# Altium PCB AX7103-2021-0629.PcbDoc (part 6 of 7)
Units mil, origin at the board's own origin, x right, y up, seen from the top; angles counter-clockwise.
Board outline 7406.51 x 4363.82 mil, 6 copper layers (TOP, SGND, IN1, IN2, SGND1, BOTTOM), stack 47.2 mil thick; 347 components, 454 nets, 1784 pads, 724 vias.
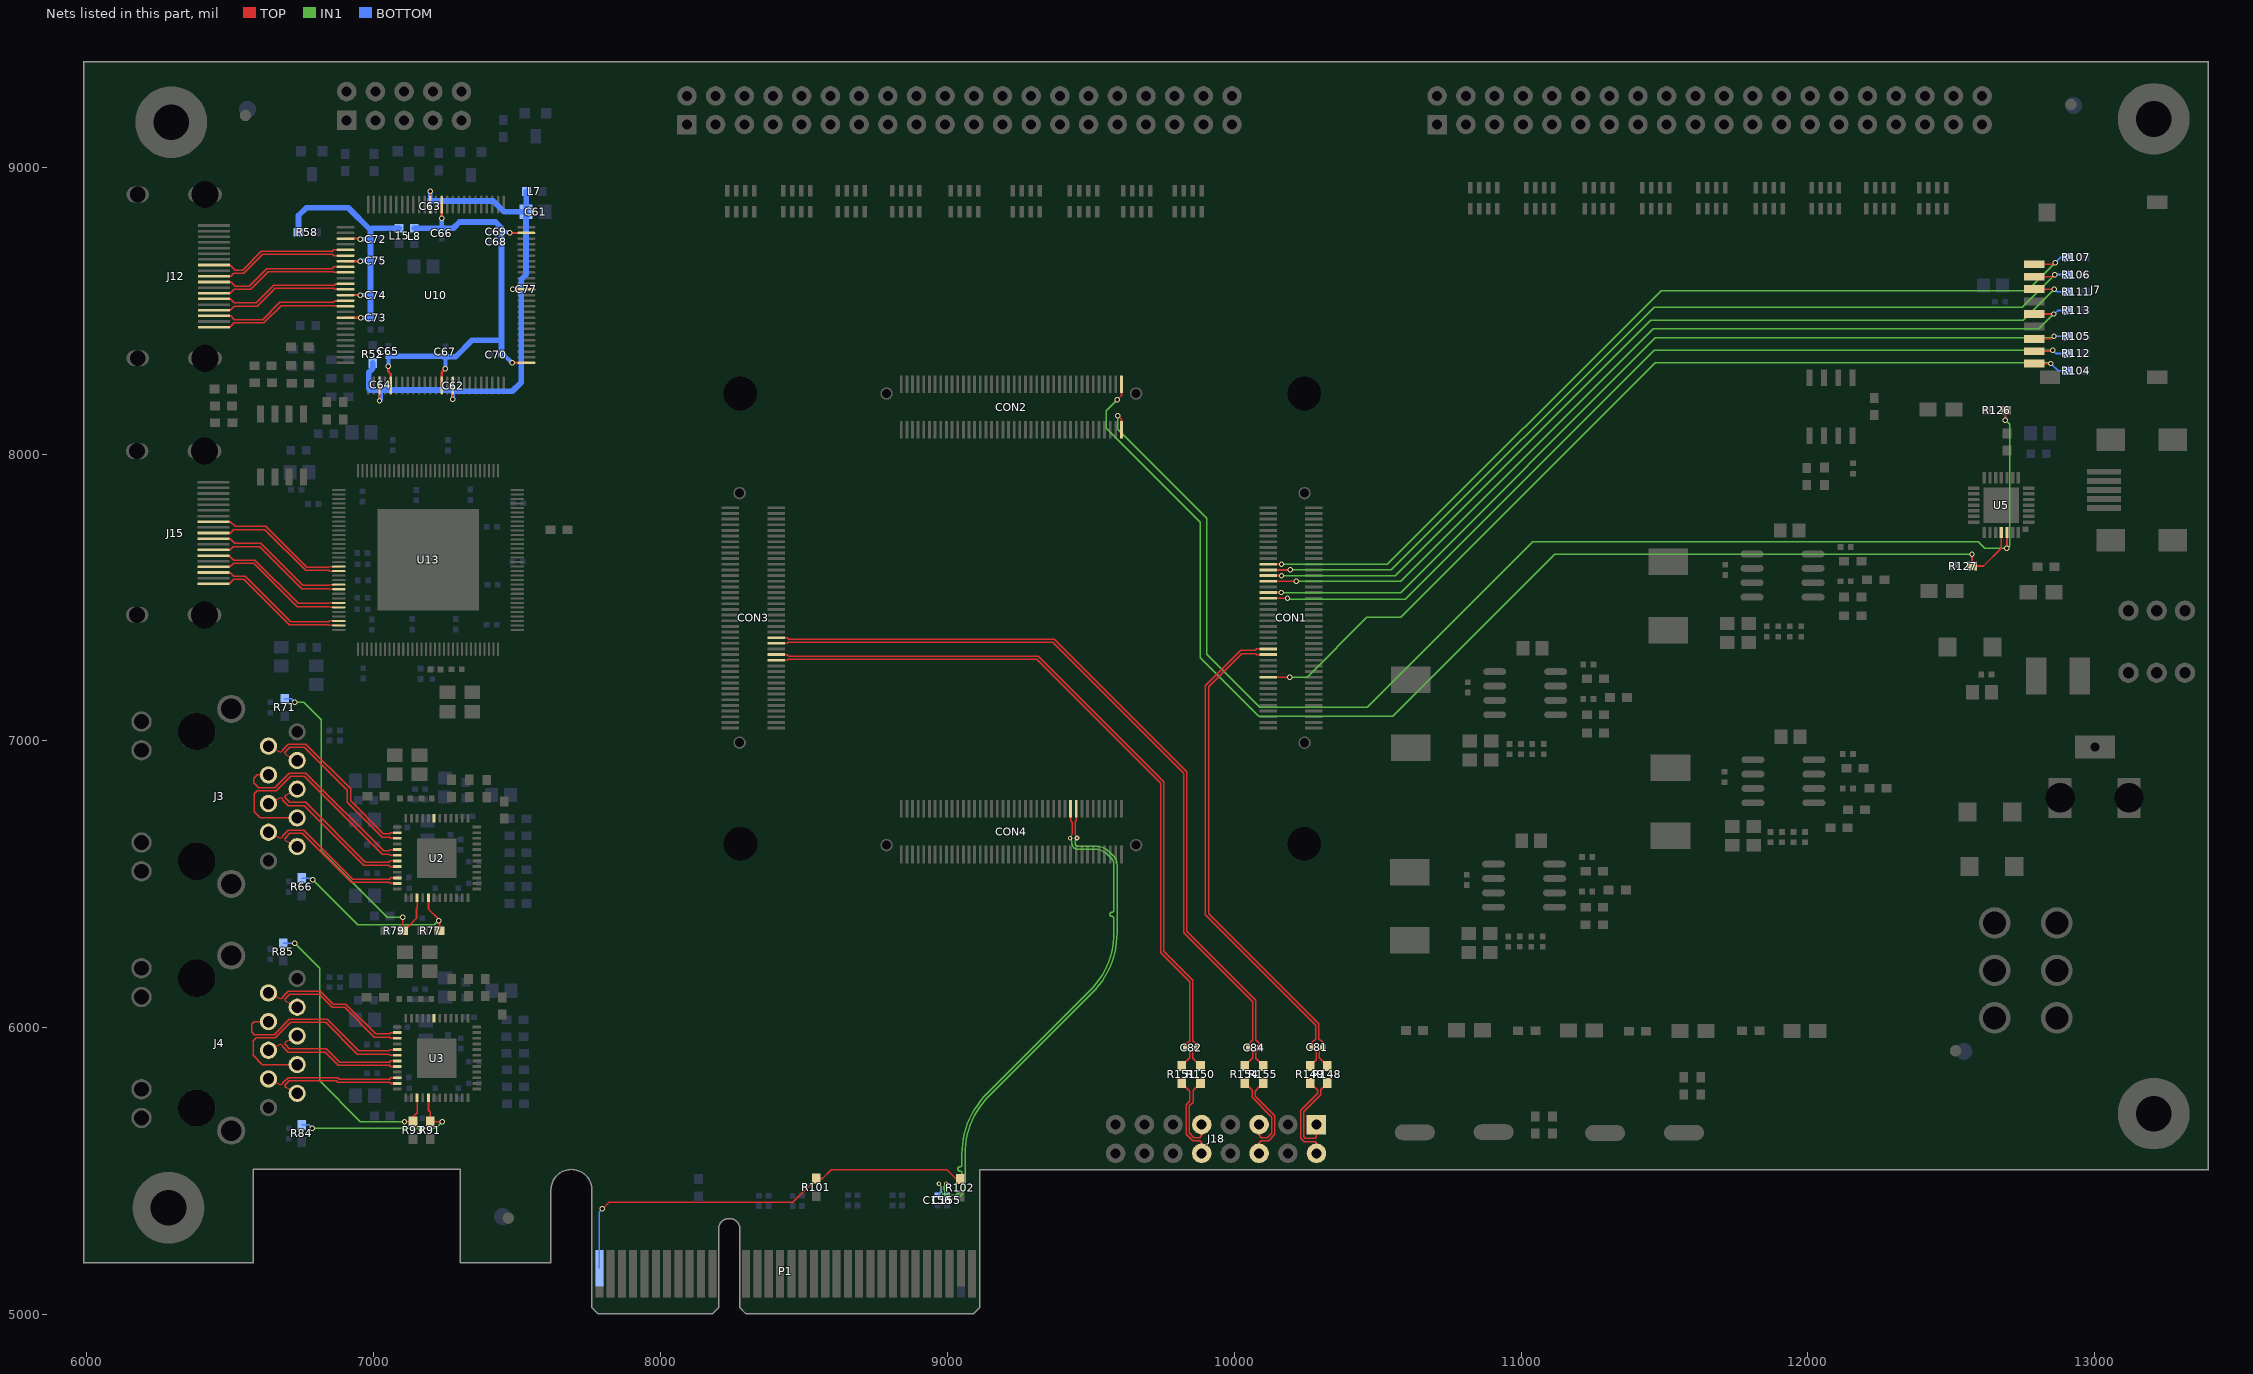
[diagram p10: the nets of this part, all layers, seen from the top]

## Via types
v1: diameter 19, hole 12, TOP to BOTTOM, 688 vias
v2: diameter 16, hole 8, TOP to BOTTOM, 36 vias

## Nets (pads, with @x,y where several pads share a name; then routed paths per layer and width w, separated by ;. In a path a pad name is that pad's centre, name@x,y a point inside that pad or via, vN(x,y) a via of type N, cw(c..) or ccw(c..) an arc to the next point about the centre after c; other vN are vias at no path point) (continued)
PCIE_TX3_N: C155.2 CON4.19 | length 1829.9
  TOP w5: v2(9428.21,6661.29) ccw(c9411.72,6677.78) 9435.04,6677.78 9435.04,6715.24 ccw(c9429.65,6715.24) 9433.46,6719.05 cw(c9441.57,6727.16) 9430.1,6727.16 CON4.19@9430.1,6763.77
  IN1 w5: v2(8996.04,5456.85) ccw(c9010.53,5442.36) 8990.04,5442.36 8990.04,5436.92 ccw(c9007.11,5436.92) 8995.04,5424.85 8999.09,5420.8 ccw(c9011.04,5432.75) 9011.04,5415.85 9024.04,5415.85 ccw(c9024.04,5435.14) 9037.69,5421.51 ccw(c9005.47,5453.74) 9051.04,5453.74 9051.04,5463.74 ccw(c9044.04,5463.74) 9044.04,5470.74 cw(c9044.04,5477.74) 9037.04,5477.74 9037.04,5478.74 cw(c9044.04,5478.74) 9044.04,5485.74 ccw(c9044.04,5492.74) 9051.04,5492.74 9051.04,5493.74 ccw(c9044.04,5493.74) 9044.04,5500.74 cw(c9044.04,5507.74) 9037.04,5507.74 9037.04,5508.74 cw(c9044.04,5508.74) 9044.04,5515.74 ccw(c9044.04,5522.74) 9051.04,5522.74 9051.04,5559.85 cw(c9349.32,5559.85) 9138.41,5770.77 9170.26,5802.63 9497.26,6129.63 ccw(c9295,6331.89) 9581.04,6331.89 9581.04,6381.82 ccw(c9574.54,6381.82) 9574.54,6388.32 9572.73,6388.32 cw(c9572.73,6391.18) 9571.64,6388.54 9570.28,6389.1 cw(c9572.16,6393.64) 9567.62,6391.76 9567.37,6392.37 cw(c9571.33,6394.02) 9567.04,6394.01 9567.04,6395.82 cw(c9574.54,6395.82) 9574.54,6403.32 ccw(c9574.54,6409.82) 9581.04,6409.82 9581.04,6566.35 ccw(c9542.52,6566.35) 9569.76,6593.57 9558.26,6605.07 ccw(c9515.34,6562.15) 9515.34,6622.85 9455.32,6622.85 cw(c9455.32,6642.86) 9441.17,6628.71 9440.34,6629.54 cw(c9454.47,6643.68) 9434.48,6643.68 9434.48,6646.85 ccw(c9414.78,6646.85) 9428.7,6660.79 v2(9428.21,6661.29)
  BOTTOM w5: v2(8996.04,5456.85) ccw(c9012.94,5439.95) 8989.04,5439.95 ccw(c9020.69,5439.95) 8998.3,5417.58 C155.2@8999.04,5416.85
PCIE_TX3_P: C156.2 CON4.17 | length 1818
  TOP w5: CON4.17@9449.79,6763.77 9449.79,6727.85 cw(c9436.99,6727.86) 9448.94,6723.27 ccw(c9455.94,6716.27) 9446.04,6716.27 9446.04,6676.61 ccw(c9467.11,6676.61) v2(9452.21,6661.71)
  IN1 w5: v2(8971.04,5456.85) 8972.68,5455.22 cw(c8957.29,5439.85) 8979.04,5439.85 8979.04,5436.91 ccw(c9007.11,5436.92) 8987.26,5417.07 8991.31,5413.02 ccw(c9011.04,5432.76) 9011.04,5404.85 9024.04,5404.85 ccw(c9024.04,5435.15) 9045.47,5413.73 ccw(c9005.47,5453.73) 9062.04,5453.73 9062.04,5559.85 cw(c9349.31,5559.85) 9146.19,5762.99 9178.04,5794.85 9505.04,6121.85 ccw(c9295,6331.89) 9592.04,6331.89 9592.04,6566.34 ccw(c9542.53,6566.34) 9577.54,6601.35 9566.04,6612.85 ccw(c9515.34,6562.15) 9515.34,6633.85 9455.32,6633.85 cw(c9455.32,6642.86) 9448.95,6636.49 9448.12,6637.32 cw(c9454.46,6643.68) 9445.48,6643.68 9445.48,6647.85 cw(c9462.69,6647.85) 9450.52,6660.02 v2(9452.21,6661.71)
  BOTTOM w5: C156.2@8966.04,5416.85 8974.5,5425.32 ccw(c8965.99,5433.85) 8978.04,5433.85 8978.04,5439.95 ccw(c8954.14,5439.95) v2(8971.04,5456.85)
PHY1_AD0/LED1: R66.1 R77.1 U2.17 | length 682
  TOP w6: U2.17@7191.44,6452.97 7191.44,6414.45 7227.04,6378.85 v1(7227.04,6372.85) 7230.04,6369.85 R77.1@7230.04,6338.71
  IN1 w5: v1(6788.04,6515.85) 6945.04,6358.85 7212.04,6358.85 7227.04,6373.85 v1(7227.04,6372.85)
  BOTTOM w6: R66.1@6750.04,6521.85 6782.04,6521.85 v1(6788.04,6515.85)
PHY1_AD1/LED2: R71.1 R79.2 U2.15 | length 1180.1
  TOP w6: v1(7102.04,6384.85) R79.2@7102.04,6338.99 7107.18,6338.99 7150.04,6381.85 7150.04,6415.85 7152.07,6417.88 U2.15@7152.07,6452.97
  IN1 w5: v1(6725.04,7134.85) 6757.04,7134.85 6818.04,7073.85 6818.04,6614.85 7048.04,6384.85 v1(7102.04,6384.85)
  BOTTOM w6: R71.1@6690.04,7146.85 6713.04,7146.85 v1(6725.04,7134.85)
PHY1_LDO: U2.43
PHY1_MDI0_N: J3.P3 U2.3 | length 608.1
  TOP w5: J3.P3@6734.03,6931.9 6693.43,6952.23 6691.2,6958.94 6693.43,6963.39 6707.89,6977.85 6759.48,6977.85 6909.04,6828.29 6909.04,6786.29 7030.26,6665.07 7056.23,6665.07 7060.57,6660.73 U2.3@7082.11,6660.73
PHY1_MDI0_P: J3.P2 U2.2 | length 620.8
  TOP w5: J3.P2@6634.03,6981.9 6674.63,6961.57 6681.34,6963.82 6683.59,6968.31 6684.39,6969.91 6703.33,6988.85 6764.04,6988.85 6920.04,6832.85 6920.04,6790.85 7034.82,6676.07 7056.23,6676.07 7060.57,6680.41 U2.2@7082.11,6680.41
PHY1_MDI1_N: J3.P7 U2.6 | length 857.3
  TOP w5: J3.P7@6734.03,6731.9 6605.99,6731.9 6585.04,6752.85 6585.04,6816.41 6595.48,6826.85 6661.04,6826.85 6711.04,6876.85 6759.48,6876.85 7030.48,6605.85 7053.68,6605.85 7057.86,6601.67 U2.6@7082.11,6601.67
PHY1_MDI1_P: J3.P4 U2.5 | length 712.5
  TOP w5: J3.P4@6634.03,6881.9 6594.09,6881.9 6583.04,6870.85 6583.04,6854.85 6600.04,6837.85 6656.48,6837.85 6706.48,6887.85 6764.04,6887.85 7035.04,6616.85 7053.36,6616.85 7057.87,6621.36 U2.5@7082.11,6621.36
PHY1_MDI2_N: J3.P6 U2.8 | length 552.9
  TOP w5: J3.P6@6634.03,6781.9 6674.63,6802.23 6681.34,6799.98 6684.39,6793.89 6703.43,6774.85 6758.48,6774.85 6966.48,6566.85 7053.31,6566.85 7057.86,6562.3 U2.8@7082.11,6562.3
PHY1_MDI2_P: J3.P5 U2.7 | length 540
  TOP w5: J3.P5@6734.03,6831.9 6693.43,6811.57 6691.2,6804.86 6693.43,6800.41 6707.99,6785.85 6763.04,6785.85 6971.04,6577.85 7053.73,6577.85 7057.87,6581.99 U2.7@7082.11,6581.99
PHY1_MDI3_N: J3.P9 U2.11 | length 524.4
  TOP w5: J3.P9@6734.03,6631.9 6693.43,6652.23 6691.2,6658.94 6693.43,6663.39 6707.89,6677.85 6752.04,6677.85 6922.3,6507.59 7056.23,6507.59 7060.57,6503.25 U2.11@7082.11,6503.25
PHY1_MDI3_P: J3.P8 U2.10 | length 537.2
  TOP w5: J3.P8@6634.03,6681.9 6674.63,6661.57 6681.34,6663.82 6683.59,6668.31 6684.39,6669.91 6703.33,6688.85 6756.6,6688.85 6926.86,6518.59 7056.23,6518.59 7060.57,6522.93 U2.10@7082.11,6522.93
PHY2_AD0/LED1: R84.1 R91.1 U3.17 | length 632.3
  TOP w6: U3.17@7191.44,5755.97 7191.44,5712.45 7198.18,5705.71 R91.1@7198.18,5672.85 v1(7240.04,5672.85)
  IN1 w5: v1(6787.04,5649.85) 7217.04,5649.85 v1(7240.04,5672.85)
  BOTTOM w6: R84.1@6750.04,5661.85 6775.04,5661.85 v1(6787.04,5649.85)
PHY2_AD1/LED2: R85.1 R93.2 U3.15 | length 1028.8
  TOP w6: v1(7108.04,5672.85) R93.2@7137.9,5672.85 7137.9,5689.71 7152.07,5703.88 U3.15@7152.07,5755.97
  IN1 w5: v1(6725.04,6294.85) 6812.04,6207.85 6812.04,5814.85 6954.04,5672.85 v1(7108.04,5672.85)
  BOTTOM w6: R85.1@6685.9,6294.85 v1(6725.04,6294.85)
PHY2_LDO: U3.43
PHY2_MDI0_N: J4.P3 U3.3 | length 514.8
  TOP w5: J4.P3@6734.03,6071.9 6693.43,6092.23 6691.2,6098.94 6692.63,6101.79 6707.69,6116.85 6810.48,6116.85 6855.48,6071.85 6899.48,6071.85 7003.26,5968.07 7056.23,5968.07 7060.57,5963.73 U3.3@7082.11,5963.73
PHY2_MDI0_P: J4.P2 U3.2 | length 527.5
  TOP w5: J4.P2@6634.03,6121.9 6674.63,6101.57 6681.34,6103.82 6683.59,6108.31 6703.13,6127.85 6815.04,6127.85 6860.04,6082.85 6904.04,6082.85 7007.82,5979.07 7056.23,5979.07 7060.57,5983.41 U3.2@7082.11,5983.41
PHY2_MDI1_N: J4.P7 U3.6 | length 793.5
  TOP w5: J4.P7@6734.03,5871.9 6612.99,5871.9 6580.04,5904.85 6580.04,5954.85 6591.04,5965.85 6658.04,5965.85 6711.04,6018.85 6833.48,6018.85 6943.48,5908.85 7053.68,5908.85 7057.86,5904.67 U3.6@7082.11,5904.67
PHY2_MDI1_P: J4.P4 U3.5 | length 667.9
  TOP w5: J4.P4@6634.03,6021.9 6585.09,6021.9 6576.04,6012.85 6576.04,5985.85 6585.04,5976.85 6653.48,5976.85 6706.48,6029.85 6838.04,6029.85 6948.04,5919.85 7053.36,5919.85 7057.87,5924.36 U3.5@7082.11,5924.36
PHY2_MDI2_N: J4.P6 U3.8 | length 485.4
  TOP w5: J4.P6@6634.03,5921.9 6674.63,5942.23 6681.34,5939.98 6683.59,5935.49 6684.39,5933.89 6702.43,5915.85 6831.48,5915.85 6877.69,5869.64 7056.23,5869.64 7060.57,5865.3 U3.8@7082.11,5865.3
PHY2_MDI2_P: J4.P5 U3.7 | length 472.7
  TOP w5: J4.P5@6734.03,5971.9 6693.43,5951.57 6691.2,5944.86 6693.43,5940.41 6706.99,5926.85 6836.04,5926.85 6882.25,5880.64 7056.23,5880.64 7060.58,5884.99 U3.7@7082.11,5884.99
PHY2_MDI3_N: J4.P9 U3.11 | length 454.9
  TOP w5: J4.P9@6734.03,5771.9 6693.43,5792.23 6691.2,5798.94 6692.63,5801.79 6706.69,5815.85 6870.48,5815.85 6875.74,5810.59 7056.23,5810.59 7060.57,5806.25
  TOP w6: 7060.57,5806.25 U3.11@7082.11,5806.25
PHY2_MDI3_P: J4.P8 U3.10 | length 467.7
  TOP w5: J4.P8@6634.03,5821.9 6674.63,5801.57 6681.34,5803.82 6683.59,5808.31 6702.13,5826.85 6875.04,5826.85 6880.3,5821.59 7056.23,5821.59 7060.57,5825.93 U3.10@7082.11,5825.93
PRSNT: P1.A1 R101.1 R102.1 | length 1530.1
  TOP w6: v1(7798.04,5368.85) 7821.04,5391.85 8462.04,5391.85 8543.18,5472.99 R101.1@8543.18,5474.85 8565.04,5474.85 8596.04,5505.85 8999.04,5505.85 9032.04,5472.85 R102.1@9045.18,5472.85
  BOTTOM w6: P1.A1@7787.28,5161.85 7787.28,5358.09 v1(7798.04,5368.85)
RX_0N: J15.9 U13.54 | length 505.6
  TOP w5: J15.9@6442.26,7705.29 6500.73,7705.29 6517.17,7688.85 6607.6,7688.85 6754.12,7542.33 6844.7,7542.33 6847.08,7544.71 U13.54@6879.36,7544.71
RX_0P: J15.7 U13.55 | length 503.7
  TOP w5: J15.7@6442.26,7665.92 6500,7665.92 6511.93,7677.85 6603.04,7677.85 6749.56,7531.33 6844.7,7531.33 6847.07,7528.96 U13.55@6879.36,7528.96
RX_1N: J15.6 U13.58 | length 507.2
  TOP w5: J15.6@6442.26,7646.23 6497.29,7646.23 6512.67,7630.85 6586.6,7630.85 6738.11,7479.34 6844.7,7479.34 6847.07,7481.71 U13.58@6879.36,7481.71
RX_1P: J15.4 U13.59 | length 506.2
  TOP w5: J15.4@6442.26,7606.86 6499.44,7606.86 6512.43,7619.85 6582.04,7619.85 6733.55,7468.34 6844.7,7468.34 6847.07,7465.97 U13.59@6879.36,7465.97
RX_2N: J15.3 U13.62 | length 508.9
  TOP w5: J15.3@6442.26,7587.18 6500.3,7587.18 6512.63,7574.85 6553.04,7574.85 6711.55,7416.34 6844.7,7416.34 6847.08,7418.72 U13.62@6879.36,7418.72
RX_2P: J15.1 U13.63 | length 510.4
  TOP w5: J15.1@6442.26,7547.81 6497.39,7547.81 6513.43,7563.85 6548.48,7563.85 6706.99,7405.34 6844.7,7405.34 6847.07,7402.97 U13.63@6879.36,7402.97
RX_CN: J15.12 U13.50 | length 504
  TOP w5: J15.12@6442.26,7764.34 6501.27,7764.34 6517.76,7747.85 6625.04,7747.85 6767.57,7605.32 6844.7,7605.32 6847.08,7607.7 U13.50@6879.36,7607.7
RX_CP: J15.10 U13.51 | length 502
  TOP w5: J15.10@6442.26,7724.97 6501.55,7724.97 6513.43,7736.85 6620.48,7736.85 6763.01,7594.32 6844.7,7594.32 6847.07,7591.95 U13.51@6879.36,7591.95
SD_CD_N: CON1.61 J7.9 R104.1 | length 3310.2
  TOP w6: CON1.61@10118.59,7222.26 v1(10193.63,7222.26) ; J7.9@12788.65,8315.19 12846.38,8315.19 v1(12847.04,8315.85)
  IN1 w5: v1(10193.63,7222.26) 10254.04,7222.26 10462.63,7430.85 10581.04,7430.85 11468.04,8317.85 12845.04,8317.85 v1(12847.04,8315.85)
  BOTTOM w6: v1(12847.04,8315.85) 12872.18,8290.71 R104.1@12905.04,8290.71
SD_CLK: CON1.27 J7.5 R113.1 | length 3245.8
  TOP w6: CON1.27@10118.59,7556.9 v1(10217.04,7556.9) ; J7.5@12788.65,8488.42 v1(12857.04,8488.42)
  IN1 w5: v1(10217.04,7556.9) 10581.09,7556.9 11461.04,8436.85 12805.47,8436.85 v1(12857.04,8488.42)
  BOTTOM w6: v1(12857.04,8488.42) 12858.61,8488.42 12870.9,8500.71 R113.1@12905.04,8500.71
SD_CMD: CON1.25 J7.3 R111.1 | length 3278.4
  TOP w6: CON1.25@10118.59,7576.59 v1(10165.04,7576.59) ; J7.3@12788.65,8575.04 12856.23,8575.04 12858.04,8576.85 v1(12858.04,8575.04)
  IN1 w5: v1(10165.04,7576.59) 10561.78,7576.59 11452.04,8466.85 12749.85,8466.85 v1(12858.04,8575.04)
  BOTTOM w6: v1(12858.04,8575.04) 12858.04,8576.85 12869.18,8565.71 R111.1@12905.04,8565.71
SD_DAT0: CON1.31 J7.7 R105.1 | length 3229.4
  TOP w6: CON1.31@10118.59,7517.53 v1(10164.36,7517.53) ; J7.7@12788.65,8401.81 12849,8401.81 v1(12857.9,8410.71)
  IN1 w5: v1(10164.36,7517.53) 10580.72,7517.53 11468.04,8404.85 12852.04,8404.85 v1(12857.9,8410.71)
  BOTTOM w6: v1(12857.9,8410.71) R105.1@12905.04,8410.71
SD_DAT1: CON1.33 J7.8 R112.1 | length 3218
  TOP w6: CON1.33@10118.59,7497.85 v1(10186.04,7497.85) ; J7.8@12788.65,8358.5 12849.69,8358.5 v1(12853.04,8361.85)
  IN1 w5: v1(10186.04,7497.85) 10190.04,7493.85 10596.04,7493.85 11464.04,8361.85 v1(12853.04,8361.85)
  BOTTOM w6: v1(12853.04,8361.85) 12864.18,8350.71 R112.1@12905.04,8350.71
SD_DAT2: CON1.21 J7.1 R107.1 | length 3305.1
  TOP w6: CON1.21@10118.59,7615.96 v1(10165.04,7615.96) ; J7.1@12788.65,8661.65 12856.84,8661.65 v1(12862.04,8666.85)
  IN1 w5: v1(10165.04,7615.96) 10534.15,7615.96 11488.04,8569.85 12765.04,8569.85 v1(12862.04,8666.85)
  BOTTOM w6: v1(12862.04,8666.85) 12880.9,8685.71 R107.1@12905.04,8685.71
SD_DAT3: CON1.23 J7.2 R106.1 | length 3288.4
  TOP w6: CON1.23@10118.59,7596.27 v1(10196.04,7596.27) ; J7.2@12788.65,8618.34 12853.81,8618.34 v1(12861.18,8625.71)
  IN1 w5: v1(10196.04,7596.27) 10548.46,7596.27 11464.04,8511.85 12747.32,8511.85 v1(12861.18,8625.71)
  BOTTOM w6: v1(12861.18,8625.71) R106.1@12905.04,8625.71
TX_0N: J12.9 U10.33 | length 492.2
  TOP w5: J12.9@6444.23,8600.03 6503.23,8600.03 6517.41,8585.85 6567.48,8585.85 6628.48,8646.85 6855.9,8646.85 6861.93,8652.88 U10.33@6902.84,8652.88
TX_0P: J12.7 U10.34 | length 490.9
  TOP w5: J12.7@6444.23,8560.66 6500.5,8560.66 6514.69,8574.85 6572.04,8574.85 6633.04,8635.85 6859.28,8635.85 6861.93,8633.2 U10.34@6902.84,8633.2
TX_1N: J12.6 U10.36 | length 492.2
  TOP w5: J12.6@6444.23,8540.97 6500.92,8540.97 6515.04,8526.85 6590.48,8526.85 6652.48,8588.85 6863.32,8588.85 6868.3,8593.83 U10.36@6902.84,8593.83
TX_1P: J12.4 U10.37 | length 491.7
  TOP w5: J12.4@6444.23,8501.6 6499.94,8501.6 6514.19,8515.85 6595.04,8515.85 6657.04,8577.85 6861.52,8577.85 6865.23,8574.14 U10.37@6902.84,8574.14
TX_2N: J12.3 U10.39 | length 491.3
  TOP w5: J12.3@6444.23,8481.92 6501.99,8481.92 6515.03,8468.85 6613.48,8468.85 6673.48,8528.85 6860.37,8528.85 6866.3,8534.78 U10.39@6902.84,8534.78
TX_2P: J12.1 U10.40 | length 490.9
  TOP w5: J12.1@6444.23,8442.55 6498.89,8442.55 6514.19,8457.85 6618.04,8457.85 6678.04,8517.85 6864.59,8517.85 6867.35,8515.09 U10.40@6902.84,8515.09
TX_CN: J12.12 U10.30 | length 495.6
  TOP w5: J12.12@6444.23,8659.08 6499.92,8659.08 6518.15,8640.85 6543.48,8640.85 6609.48,8706.85 6856.85,8706.85 6861.94,8711.94 U10.30@6902.84,8711.94
TX_CP: J12.10 U10.31 | length 491.7
  TOP w5: J12.10@6444.23,8619.71 6503.3,8619.71 6513.51,8629.93 6513.59,8629.85 6548.04,8629.85 6614.04,8695.85 6858.33,8695.85 6861.93,8692.25 U10.31@6902.84,8692.25
UART1_RXD: CON2.79 R126.1 U5.26 | length 4673.9
  TOP w6: v1(9595.04,8133.85) 9607.26,8121.63 CON2.79@9607.26,8084.27 ; v1(12688.55,8118.34) R126.1@12688.55,8152.62 ; v1(12693.94,7671.85) U5.26@12693.94,7726.51
  IN1 w5: v1(9595.04,8133.85) 9595.04,8085.85 9905.04,7775.85 9905.04,7301.85 10089.04,7117.85 10464.04,7117.85 11041.04,7694.85 12593.04,7694.85 12616.04,7671.85 v1(12693.94,7671.85) 12703.04,7680.95 12703.04,8103.85 v1(12688.55,8118.34)
UART1_TXD: CON2.80 R127.1 U5.25 | length 4344.4
  TOP w6: v1(9593.04,8189.85) 9607.26,8204.07 CON2.80@9607.26,8243.71 ; v1(12572.01,7650.88) R127.1@12572.01,7609.84 12612.03,7609.84 12674.25,7672.06 U5.25@12674.25,7726.51
  IN1 w5: v1(9593.04,8189.85) 9554.04,8150.85 9554.04,8089.85 9881.04,7762.85 9881.04,7289.85 10085.04,7085.85 10552.04,7085.85 11117.07,7650.88 v1(12572.01,7650.88)
VIDEO1_AVCC: C72.1 C73.1 C74.1 C75.1 L15.1 R58.2 U10.28 U10.32 U10.38 U10.42 | length 1111.1
  TOP w8: U10.42@6902.84,8475.72 v1(6955.06,8475.72) ; U10.38@6902.84,8554.46 v1(6953.3,8554.46) ; U10.32@6902.84,8672.57 v1(6953.19,8672.57) ; U10.28@6902.84,8751.31 6951.95,8751.31 v1(6953.8,8749.46)
  BOTTOM w15: v1(6953.19,8672.57) 6955.08,8674.46 C75.1@6989.8,8674.46 ; v1(6953.3,8554.46) C74.1@6989.8,8554.46 ; v1(6953.8,8749.46) C72.1@6989.8,8749.46 ; v1(6955.06,8475.72) 6956.32,8474.46 C73.1@6989.8,8474.46
  BOTTOM w20: R58.2@6738.8,8773.46 6738.8,8831.46 6766.3,8858.96 6912.3,8858.96 6989.8,8781.46 ; C73.1@6989.8,8474.46 C74.1@6989.8,8554.46 C75.1@6989.8,8674.46 C72.1@6989.8,8749.46 6989.8,8781.46 ; L15.1@7089.04,8787.35 6995.69,8787.35 6989.8,8781.46
VIDEO1_CORE: C65.1 C66.1 C67.1 C68.1 C69.1 C70.1 L8.1 U10.12 U10.55 U10.64 U10.76 U10.99 | length 1661.8
  TOP w8: v1(7051.8,8305.96) 7051.8,8287.96 7060.32,8279.44 U10.55@7060.32,8239.5 ; U10.64@7237.48,8239.5 7237.48,8284.14 v1(7250.8,8297.46) ; v1(7237.49,8822.46) U10.12@7237.49,8869.42 ; v1(7475.27,8770.99) U10.99@7532.76,8770.99 ; v1(7483.02,8318.24) U10.76@7532.76,8318.24
  BOTTOM w15: v1(7051.8,8305.96) 7052.3,8306.46 C65.1@7052.3,8340.96 ; v1(7237.49,8822.46) 7237.49,8818.77 7237.8,8818.46 C66.1@7237.8,8787.46 ; v1(7250.8,8297.46) C67.1@7250.8,8338.96 ; C69.1@7445.8,8774.46 7471.8,8774.46 v1(7475.27,8770.99) ; C70.1@7446.3,8345.96 7455.3,8345.96 v1(7483.02,8318.24)
  BOTTOM w20: C65.1@7052.3,8340.96 7248.8,8340.96 C67.1@7250.8,8338.96 7285.8,8338.96 7343.8,8396.96 7446.3,8396.96 ; L8.1@7141.8,8786.96 7237.3,8786.96 C66.1@7237.8,8787.46 7278.3,8787.46 7299.8,8808.96 7425.3,8808.96 7445.8,8788.46 C69.1@7445.8,8774.46 C68.1@7445.8,8739.46 7446.3,8738.96 7446.3,8396.96 ; C70.1@7446.3,8345.96 7446.3,8396.96
VIDEO1_VCCIO: C61.1 C62.1 C63.1 C64.1 C77.1 L7.2 R52.2 U10.14 U10.53 U10.66 U10.89 | length 1992.8
  TOP w8: v1(7020.95,8185.85) U10.53@7020.95,8239.5 ; v1(7197.8,8916.46) 7197.8,8869.74 U10.14@7198.12,8869.42 ; v1(7276.86,8191.85) U10.66@7276.86,8239.5 ; v1(7485.8,8574.46) 7486.12,8574.14 U10.89@7532.76,8574.14
  BOTTOM w15: v1(7020.95,8185.85) 7025.04,8189.94 C64.1@7025.04,8223.85 ; C63.1@7197.8,8882.46 v1(7197.8,8916.46) ; v1(7276.86,8191.85) 7276.86,8219.52 C62.1@7277.8,8220.46 ; v1(7485.8,8574.46) C77.1@7514.8,8574.46
  BOTTOM w20: R52.2@6997.66,8317.46 6997.66,8298.82 6983.8,8284.96 6983.8,8229.46 6990.41,8222.85 7024.04,8222.85 C64.1@7025.04,8223.85 7274.41,8223.85 C62.1@7277.8,8220.46 7279.3,8218.96 7483.8,8218.96 7514.8,8249.96 C77.1@7514.8,8574.46 7514.8,8608.99 7531.65,8625.84 C61.1@7531.65,8844.46 ; C63.1@7197.8,8882.46 7417.3,8882.46 7455.3,8844.46 C61.1@7531.65,8844.46 ; L7.2@7533.3,8915.46 7532.04,8914.2 C61.1@7532.04,8844.85 C61.1@7531.65,8844.46
XADC_AD0N: C82.2 CON3.25 R151.2 | length 2570.4
  TOP w5: CON3.25@8403.12,7281.35 8443.04,7281.35 8446.54,7284.85 9312.48,7284.85 9744.04,6853.29 9744.04,6262.29 9845.04,6161.29 9845.04,5955.85 9832.04,5942.85 C82.2@9832.04,5930.85 9845.04,5917.85 9845.04,5894.99 R151.2@9817.9,5867.85
XADC_AD0N_C: J18.10 R151.1 | length 298.8
  TOP w5: R151.1@9817.9,5807.85 9846.04,5779.71 9846.04,5745.41 9833.04,5732.41 9833.04,5629.29 9855.48,5606.85 9880.04,5606.85 9887.04,5599.85 J18.10@9887.04,5562.85
XADC_AD0P: C82.1 CON3.27 R150.2 | length 2588.4
  TOP w5: CON3.27@8403.12,7301.04 8443.03,7301.04 8448.22,7295.85 9317.04,7295.85 9755.04,6857.85 9755.04,6266.85 9856.04,6165.85 9856.04,5954.85 9868.04,5942.85 C82.1@9868.04,5930.85 9856.04,5918.85 9856.04,5894.71 R150.2@9882.9,5867.85
XADC_AD0P_C: J18.9 R150.1 | length 280.6
  TOP w5: R150.1@9882.9,5807.85 9857.04,5781.99 9857.04,5740.85 9844.04,5727.85 9844.04,5633.85 9860.04,5617.85 9880.04,5617.85 9887.04,5624.85 J18.9@9887.04,5662.85
XADC_AD9N: C84.2 CON3.33 R155.2 | length 2771.8
  TOP w5: CON3.33@8403.12,7360.09 8443.04,7360.09 8448.28,7354.85 9373.04,7354.85 9835.04,6892.85 9835.04,6336.85 10076.04,6095.85 10076.04,5959.1 10088.04,5947.1 C84.2@10088.04,5930.85 10075.04,5917.85 10075.04,5894.71 R155.2@10101.9,5867.85
XADC_AD9N_C: J18.6 R155.1 | length 322.1
  TOP w5: J18.6@10087.04,5562.85 10087.04,5598.85 10095.04,5606.85 10120.04,5606.85 10142.04,5628.85 10142.04,5693.85 10074.04,5761.85 10074.04,5779.75 10081.04,5786.75 10081.04,5786.99 R155.1@10101.9,5807.85
XADC_AD9P: C84.1 CON3.31 R154.2 | length 2752.9
  TOP w5: CON3.31@8403.12,7340.41 8443.04,7340.41 8446.48,7343.85 9368.48,7343.85 9824.04,6888.29 9824.04,6332.29 10065.04,6091.29 10065.04,5957.85 10052.04,5944.85 C84.1@10052.04,5930.85 10064.04,5918.85 10064.04,5894.99 R154.2@10036.9,5867.85
XADC_AD9P_C: J18.5 R154.1 | length 304.8
  TOP w5: R154.1@10036.9,5807.85 10063.04,5781.71 10063.04,5757.29 10131.04,5689.29 10131.04,5633.41 10115.48,5617.85 10094.04,5617.85 10087.04,5624.85 J18.5@10087.04,5662.85
XADC_VN: C81.2 CON1.51 R149.2 | length 1775.4
  TOP w5: CON1.51@10118.59,7320.68 10078.67,7320.68 10073.84,7315.85 10022.48,7315.85 9900.04,7193.41 9900.04,6393.85 10284.04,6009.85 10284.04,5961.1 10272.04,5949.1 C81.2@10272.04,5932.85 10286.04,5918.85 10286.04,5888.99 R149.2@10264.9,5867.85
XADC_VN_C: J18.2 R149.1 | length 325.9
  TOP w5: R149.1@10264.9,5807.85 10291.04,5781.71 10291.04,5771.41 10232.04,5712.41 10232.04,5615.85 10244.04,5603.85 10283.04,5603.85 10287.04,5599.85 J18.2@10287.04,5562.85
XADC_VP: C81.1 CON1.53 R148.2 | length 1758.7
  TOP w5: CON1.53@10118.59,7301 10078.67,7301 10074.82,7304.85 10027.04,7304.85 9911.04,7188.85 9911.04,6398.41 10295.04,6014.41 10295.04,5962.1 10308.04,5949.1 C81.1@10308.04,5932.85 10297.04,5921.85 10297.04,5895.71 R148.2@10324.9,5867.85
XADC_VP_C: J18.1 R148.1 | length 312.7
  TOP w5: J18.1@10287.04,5662.85 10287.04,5619.85 10282.04,5614.85 10248.6,5614.85 10243.04,5620.41 10243.04,5707.85 10302.04,5766.85 10302.04,5784.99 R148.1@10324.9,5807.85
pads on no net: CON1.11 CON1.12 CON1.13 CON1.14 CON1.15 CON1.17 CON1.52 CON1.55 CON1.57 CON1.62 CON1.64 CON1.66 CON1.68 CON1.72 CON1.74 CON1.76 CON1.78 CON1.79 CON1.80 CON1.81 CON1.82 CON2.81 CON2.82 CON3.75 CON3.76 CON3.81 CON3.82 CON4.1 CON4.2 CON4.3 CON4.4 CON4.5 CON4.6 CON4.7 CON4.8 CON4.11 CON4.13 CON4.79 CON4.80 CON4.81 CON4.82 J3.17 J3.18 J4.17 J4.18 J9.7 J9.8 J10.4 J12.14 J15.13 J15.14 J18.13 J18.14 P1.A5 P1.A6 P1.A7 P1.A8 P1.A19 P1.A32 P1.B5 P1.B6 P1.B9 P1.B10 P1.B11 P1.B12 P1.B30 RN9.3 RN9.4 RN9.5 RN9.6 RN18.3 RN18.4 RN18.5 RN18.6 SW1.1 SW1.4 U5.1 U5.2 U5.10 U5.11 U5.12 U5.13 U5.14 U5.15 U5.16 U5.17 U5.18 U5.19 U5.20 U5.21 U5.22 U5.23 U5.24 U5.27 U5.28 U10.4 U10.5 U10.6 U10.7 U10.8 U10.9 U10.10 U10.11 U10.15 U10.16 U10.17 U10.18 U10.19 U10.20 U10.21 U10.22 U10.23 U10.24 U13.2 U13.3 U13.4 U13.5 U13.8 U13.9 U13.10 U13.11 U13.14 U13.15 U13.16 U13.17 U13.20 U13.21 U13.22 U13.23 U13.26 U13.27 U13.28 U13.29 U13.32 U13.33 U13.34 U13.35 U13.41 U13.42 U13.43 U13.48 U13.67 U13.70 U13.71 U13.72 U13.73 U13.74 U13.75 U13.76 U13.79 U13.90 U13.91

## Polygon pours and split planes (outlines as drawn)
no net on Bottom Solder (solid): 7770.04,5227.85 7770.04,5055.85 8198.04,5055.85 8198.04,5227.85 7770.04,5227.85
no net on Bottom Solder (solid): 8281.04,5228.85 8281.04,5053.85 9104.04,5053.85 9104.04,5228.85 8281.04,5228.85
no net on Top Overlay (solid): 24 vertices, not listed, extent 7744.85,9211.01 7775.85,9288.01
no net on Top Overlay (solid): 24 vertices, not listed, extent 7843.85,9211.01 7874.85,9288.01
no net on Top Overlay (solid): 24 vertices, not listed, extent 7746.85,9100.01 7777.85,9177.01
no net on Top Overlay (solid): 24 vertices, not listed, extent 7845.85,9100.01 7876.85,9177.01
no net on Top Overlay (solid): 24 vertices, not listed, extent 10361.85,9087.01 10392.85,9164.01
no net on Top Overlay (solid): 24 vertices, not listed, extent 10357.85,9220.01 10388.85,9297.01
no net on Top Overlay (solid): 24 vertices, not listed, extent 10460.85,9087.01 10491.85,9164.01
no net on Top Overlay (solid): 24 vertices, not listed, extent 10456.85,9220.01 10487.85,9297.01
+5.0V on TOP (solid, pour order 274): 86 vertices, not listed, extent 10079.04,7747.85 10313.04,7828.85
+5.0V on TOP (solid, pour order 272): 11991.6,7396.62 11981.6,7386.62 11621.6,7386.62 11571.6,7336.62 11431.6,7336.62 11426.6,7341.62 11426.6,7436.62 11459.6,7469.62 11979.6,7469.62 11991.6,7457.62 11991.6,7396.62
EX_IO1_1P on TOP (solid, pour order 270): 34 vertices, not listed, extent 10794.64,9148.19 10820.76,9189.35
EX_IO1_2N on TOP (solid, pour order 268): 34 vertices, not listed, extent 10894.64,9148.19 10920.76,9189.35
EX_IO1_3P on TOP (solid, pour order 266): 34 vertices, not listed, extent 10994.64,9148.19 11020.76,9189.35
EX_IO1_4N on TOP (solid, pour order 264): 34 vertices, not listed, extent 11094.64,9148.19 11120.76,9189.35
EX_IO1_5P on TOP (solid, pour order 262): 34 vertices, not listed, extent 11194.64,9148.19 11220.76,9189.35
+12V on TOP (solid, pour order 258): 19 vertices, not listed, extent 11761.6,7586.62 11927.6,7770.62
+12V on TOP (solid, pour order 256): 19 vertices, not listed, extent 10864.6,7176.62 11030.6,7360.62
+12V on TOP (solid, pour order 254): 12733.04,7299.85 12819.04,7299.85 12819.04,7159.85 12794.04,7134.85 12626.04,7134.85 12616.04,7144.85 12616.04,7204.85 12628.04,7216.85 12628.04,7247.85 12668.04,7247.85 12669.54,7249.35 12711.54,7249.35 12733.04,7270.85 12733.04,7299.85
+12V on TOP (solid, pour order 252): 18 vertices, not listed, extent 11765.6,6869.62 11931.6,7052.85
+12V on TOP (solid, pour order 250): 19 vertices, not listed, extent 10860.6,6505.62 11026.6,6689.62
EX_IO1_6P on TOP (solid, pour order 248): 34 vertices, not listed, extent 11294.64,9148.19 11320.76,9189.35
EX_IO1_7P on TOP (solid, pour order 246): 34 vertices, not listed, extent 11394.64,9148.19 11420.76,9189.35
EX_IO1_8P on TOP (solid, pour order 244): 34 vertices, not listed, extent 11494.64,9148.19 11520.76,9189.35
EX_IO1_9P on TOP (solid, pour order 242): 34 vertices, not listed, extent 11594.64,9148.19 11620.76,9189.35
EX_IO1_10P on TOP (solid, pour order 240): 34 vertices, not listed, extent 11694.64,9148.19 11720.76,9189.35
EX_IO1_11N on TOP (solid, pour order 238): 34 vertices, not listed, extent 11794.64,9148.19 11820.76,9189.35
EX_IO1_12N on TOP (solid, pour order 236): 34 vertices, not listed, extent 11894.64,9148.19 11920.76,9189.35
EX_IO1_13N on TOP (solid, pour order 234): 34 vertices, not listed, extent 11994.64,9148.19 12020.76,9189.35
EX_IO1_14P on TOP (solid, pour order 232): 34 vertices, not listed, extent 12094.64,9148.19 12120.76,9189.35
EX_IO1_15P on TOP (solid, pour order 230): 34 vertices, not listed, extent 12194.64,9148.19 12220.76,9189.35
N16762134 on TOP (solid, pour order 228): 17 vertices, not listed, extent 11434.6,6799.62 11849.6,6959.62
EX_IO1_16P on TOP (solid, pour order 226): 34 vertices, not listed, extent 12294.64,9148.19 12320.76,9189.35
EX_IO1_17P on TOP (solid, pour order 224): 34 vertices, not listed, extent 12394.64,9148.19 12420.76,9189.35
EX_IO1_1N on TOP (solid, pour order 222): 34 vertices, not listed, extent 10795.08,9209.35 10820.32,9249.45
EX_IO1_2P on TOP (solid, pour order 220): 34 vertices, not listed, extent 10895.08,9209.35 10920.32,9249.45
EX_IO1_3N on TOP (solid, pour order 218): 34 vertices, not listed, extent 10995.08,9209.35 11020.32,9249.45
EX_IO1_4P on TOP (solid, pour order 216): 34 vertices, not listed, extent 11095.08,9209.35 11120.32,9249.45
EX_IO1_5N on TOP (solid, pour order 214): 34 vertices, not listed, extent 11195.08,9209.35 11220.32,9249.45
EX_IO1_6N on TOP (solid, pour order 212): 34 vertices, not listed, extent 11295.08,9209.35 11320.32,9249.45
EX_IO1_7N on TOP (solid, pour order 210): 34 vertices, not listed, extent 11395.08,9209.35 11420.32,9249.45
EX_IO1_8N on TOP (solid, pour order 208): 34 vertices, not listed, extent 11495.08,9209.35 11520.32,9249.45
EX_IO1_9N on TOP (solid, pour order 206): 34 vertices, not listed, extent 11595.08,9209.35 11620.32,9249.45
EX_IO1_10N on TOP (solid, pour order 204): 34 vertices, not listed, extent 11695.08,9209.35 11720.32,9249.45
EX_IO1_11P on TOP (solid, pour order 202): 34 vertices, not listed, extent 11795.08,9209.35 11820.32,9249.45
N17255460 on TOP (solid, pour order 200): 19 vertices, not listed, extent 11431.6,7516.62 11846.6,7676.62
EX_IO1_12P on TOP (solid, pour order 198): 34 vertices, not listed, extent 11895.08,9209.35 11920.32,9249.45
EX_IO1_13P on TOP (solid, pour order 196): 34 vertices, not listed, extent 11995.08,9209.35 12020.32,9249.45
EX_IO1_14N on TOP (solid, pour order 194): 34 vertices, not listed, extent 12095.08,9209.35 12120.32,9249.45
EX_IO1_15N on TOP (solid, pour order 192): 34 vertices, not listed, extent 12195.08,9209.35 12220.32,9249.45
EX_IO1_17N on TOP (solid, pour order 190): 34 vertices, not listed, extent 12395.08,9209.35 12420.32,9249.45
EX_IO1_16N on TOP (solid, pour order 188): 34 vertices, not listed, extent 12295.08,9209.35 12320.32,9249.45
+3.3V on TOP (solid, pour order 184): 11444.6,6624.62 11444.6,6719.62 11471.6,6746.62 12068.6,6746.62 12097.6,6717.62 12097.6,6679.62 12086.6,6668.62 12065.6,6668.62 12064.1,6670.12 12000.1,6670.12 11999.6,6669.62 11639.6,6669.62 11589.6,6619.62 11449.6,6619.62 11444.6,6624.62
GND on TOP (solid, pour order 176): 11101.1,6909.12 10786.1,6909.12 10786.1,6964.12 11101.1,6964.12 11101.1,6909.12
GND on TOP (solid, pour order 174): 12024.6,6658.62 12024.6,6612.62 12023.6,6611.62 11709.6,6611.62 11709.6,6658.62 12024.6,6658.62
GND on TOP (solid, pour order 172): 11097.1,6238.12 10782.1,6238.12 10782.1,6293.12 11097.1,6293.12 11097.1,6238.12
GND on TOP (solid, pour order 170): 11998.1,7319.12 11683.1,7319.12 11683.1,7374.12 11998.1,7374.12 11998.1,7319.12
N16880171 on TOP (solid, pour order 168): 41 vertices, not listed, extent 12452.04,6702.85 13255.04,7505.85
N16880223 on TOP (solid, pour order 166): 24 vertices, not listed, extent 12577.04,7156.85 13364.04,7602.85
N16880223 on TOP (solid, pour order 162): 12491.54,6641.35 12505.04,6654.85 12630.04,6654.85 12647.04,6637.85 12647.04,6566.85 12646.04,6565.85 12646.04,6495.85 12644.04,6493.85 12506.04,6493.85 12491.54,6508.35 12491.54,6641.35
PHY1_MDI3_N on TOP (solid, pour order 152): 35 vertices, not listed, extent 6690.93,6622.06 6734.59,6654.73
PHY1_MDI3_P on TOP (solid, pour order 150): 35 vertices, not listed, extent 6633.47,6659.07 6677.13,6691.74
PHY1_MDI2_N on TOP (solid, pour order 148): 35 vertices, not listed, extent 6633.47,6772.06 6677.13,6804.73
PHY1_MDI2_P on TOP (solid, pour order 146): 35 vertices, not listed, extent 6690.93,6809.07 6734.59,6841.74
PHY1_MDI1_N on TOP (solid, pour order 144): 34 vertices, not listed, extent 6676.53,6711.17 6734.66,6752.63
PHY1_MDI1_P on TOP (solid, pour order 142): 34 vertices, not listed, extent 6591.59,6867.41 6634.66,6896.39
PHY1_MDI0_N on TOP (solid, pour order 140): 35 vertices, not listed, extent 6690.93,6922.06 6734.59,6954.73
PHY1_MDI0_P on TOP (solid, pour order 138): 35 vertices, not listed, extent 6633.47,6959.07 6677.13,6991.74
XADC_VP_C on TOP (solid, pour order 136): 30 vertices, not listed, extent 10280.04,5617.35 10294.04,5663.47
+1.2V on TOP (solid, pour order 130): 22 vertices, not listed, extent 10525.6,6255.62 11384.04,6393.85
HDMI-VCC on TOP (solid, pour order 128): 6523.8,7927.72 6529.8,7921.72 6529.8,7881.22 6526.3,7877.72 6388.3,7877.72 6386.3,7879.72 6386.3,7923.22 6390.8,7927.72 6523.8,7927.72
N17152075 on TOP (solid, pour order 126): 12664.04,6699.85 12664.04,6814.85 12688.04,6838.85 12733.04,6883.85 12924.04,6883.85 12941.04,6866.85 12941.04,6824.85 12941.04,6686.85 12932.04,6677.85 12686.04,6677.85 12664.04,6699.85
N17152103 on TOP (solid, pour order 124): 12679.04,6452.85 12679.04,6584.85 12692.04,6597.85 12960.04,6597.85 13022.04,6535.85 13022.04,5966.85 13008.04,5952.85 12795.04,5952.85 12765.04,5982.85 12765.04,6382.85 12712.04,6435.85 12696.04,6435.85 12679.04,6452.85
XADC_AD0P_C on TOP (solid, pour order 122): 34 vertices, not listed, extent 9873.99,5622.35 9900.09,5663.47
XADC_AD0N_C on TOP (solid, pour order 120): 34 vertices, not listed, extent 9874.41,5562.23 9899.67,5602.35
EX_IO2_1N on TOP (solid, pour order 118): 34 vertices, not listed, extent 8179.64,9148.19 8205.76,9189.35
EX_IO2_2P on TOP (solid, pour order 116): 34 vertices, not listed, extent 8279.64,9148.19 8305.76,9189.35
EX_IO2_3P on TOP (solid, pour order 114): 34 vertices, not listed, extent 8379.64,9148.19 8405.76,9189.35
EX_IO2_4P on TOP (solid, pour order 112): 34 vertices, not listed, extent 8479.64,9148.19 8505.76,9189.35
EX_IO2_5N on TOP (solid, pour order 110): 34 vertices, not listed, extent 8579.64,9148.19 8605.76,9189.35
EX_IO2_6N on TOP (solid, pour order 108): 34 vertices, not listed, extent 8679.64,9148.19 8705.76,9189.35
EX_IO2_7P on TOP (solid, pour order 106): 34 vertices, not listed, extent 8779.64,9148.19 8805.76,9189.35
EX_IO2_8N on TOP (solid, pour order 104): 34 vertices, not listed, extent 8879.64,9148.19 8905.76,9189.35
EX_IO2_9N on TOP (solid, pour order 102): 34 vertices, not listed, extent 8979.64,9148.19 9005.76,9189.35
EX_IO2_10P on TOP (solid, pour order 100): 34 vertices, not listed, extent 9079.64,9148.19 9105.76,9189.35
EX_IO2_11P on TOP (solid, pour order 98): 34 vertices, not listed, extent 9179.64,9148.19 9205.76,9189.35
EX_IO2_12N on TOP (solid, pour order 96): 34 vertices, not listed, extent 9279.64,9148.19 9305.76,9189.35
EX_IO2_13N on TOP (solid, pour order 94): 34 vertices, not listed, extent 9379.64,9148.19 9405.76,9189.35
EX_IO2_14N on TOP (solid, pour order 92): 34 vertices, not listed, extent 9479.64,9148.19 9505.76,9189.35
EX_IO2_15N on TOP (solid, pour order 90): 34 vertices, not listed, extent 9579.64,9148.19 9605.76,9189.35
EX_IO2_16N on TOP (solid, pour order 88): 34 vertices, not listed, extent 9679.64,9148.19 9705.76,9189.35
EX_IO2_17P on TOP (solid, pour order 86): 34 vertices, not listed, extent 9779.64,9148.19 9805.76,9189.35
EX_IO2_1P on TOP (solid, pour order 84): 34 vertices, not listed, extent 8180.08,9209.35 8205.32,9249.45
EX_IO2_2N on TOP (solid, pour order 82): 34 vertices, not listed, extent 8280.08,9209.35 8305.32,9249.45
EX_IO2_3N on TOP (solid, pour order 80): 34 vertices, not listed, extent 8380.08,9209.35 8405.32,9249.45
EX_IO2_4N on TOP (solid, pour order 78): 34 vertices, not listed, extent 8480.08,9209.35 8505.32,9249.45
EX_IO2_5P on TOP (solid, pour order 76): 34 vertices, not listed, extent 8580.08,9209.35 8605.32,9249.45
EX_IO2_6P on TOP (solid, pour order 74): 34 vertices, not listed, extent 8680.08,9209.35 8705.32,9249.45
EX_IO2_7N on TOP (solid, pour order 72): 34 vertices, not listed, extent 8780.08,9209.35 8805.32,9249.45
EX_IO2_8P on TOP (solid, pour order 70): 34 vertices, not listed, extent 8880.08,9209.35 8905.32,9249.45
EX_IO2_9P on TOP (solid, pour order 68): 34 vertices, not listed, extent 8980.08,9209.35 9005.32,9249.45
EX_IO2_10N on TOP (solid, pour order 66): 34 vertices, not listed, extent 9080.08,9209.35 9105.32,9249.45
EX_IO2_11N on TOP (solid, pour order 64): 34 vertices, not listed, extent 9180.08,9209.35 9205.32,9249.45
EX_IO2_12P on TOP (solid, pour order 62): 34 vertices, not listed, extent 9280.08,9209.35 9305.32,9249.45
EX_IO2_13P on TOP (solid, pour order 60): 34 vertices, not listed, extent 9380.08,9209.35 9405.32,9249.45
EX_IO2_14P on TOP (solid, pour order 58): 34 vertices, not listed, extent 9480.08,9209.35 9505.32,9249.45
EX_IO2_15P on TOP (solid, pour order 56): 34 vertices, not listed, extent 9580.08,9209.35 9605.32,9249.45
EX_IO2_16P on TOP (solid, pour order 54): 34 vertices, not listed, extent 9680.08,9209.35 9705.32,9249.45
EX_IO2_17N on TOP (solid, pour order 52): 34 vertices, not listed, extent 9780.08,9209.35 9805.32,9249.45
PHY2_MDI3_N on TOP (solid, pour order 36): 35 vertices, not listed, extent 6690.93,5762.06 6734.59,5794.73
PHY2_MDI3_P on TOP (solid, pour order 34): 35 vertices, not listed, extent 6633.47,5799.07 6677.13,5831.74
PHY2_MDI2_N on TOP (solid, pour order 32): 35 vertices, not listed, extent 6633.47,5912.06 6677.13,5944.73
PHY2_MDI2_P on TOP (solid, pour order 30): 35 vertices, not listed, extent 6690.93,5949.07 6734.59,5981.74
PHY2_MDI1_N on TOP (solid, pour order 28): 34 vertices, not listed, extent 6676.53,5851.17 6734.66,5892.63
PHY2_MDI1_P on TOP (solid, pour order 26): 34 vertices, not listed, extent 6582.59,6003.68 6634.66,6040.12
PHY2_MDI0_N on TOP (solid, pour order 24): 35 vertices, not listed, extent 6690.93,6062.06 6734.59,6094.73
PHY2_MDI0_P on TOP (solid, pour order 22): 35 vertices, not listed, extent 6633.47,6099.07 6677.13,6131.74
+1.8V on TOP (solid, pour order 18): 22 vertices, not listed, extent 10529.6,6926.62 11388.04,7064.85
+12V_PCIE on TOP (solid, pour order 14): 12362.04,7371.85 12368.04,7377.85 12502.04,7377.85 12521.04,7358.85 12521.04,7248.85 12503.04,7230.85 12373.04,7230.85 12362.04,7241.85 12362.04,7371.85
+12V_PCIE on TOP (solid, pour order 12): 17 vertices, not listed, extent 7782.05,5060.85 7879.04,5342.85
XADC_VN_C on TOP (solid, pour order 8): 34 vertices, not listed, extent 10274.41,5562.23 10299.67,5602.35
XADC_AD9P_C on TOP (solid, pour order 6): 34 vertices, not listed, extent 10073.99,5622.35 10100.09,5663.47
XADC_AD9N_C on TOP (solid, pour order 4): 34 vertices, not listed, extent 10074.82,5562.23 10099.26,5601.35
N17256512 on TOP (solid, pour order 2): 19 vertices, not listed, extent 10534.6,7106.62 10949.6,7266.62
N17291587 on TOP (solid, pour order 0): 19 vertices, not listed, extent 10530.6,6435.62 10945.6,6595.62
+12V on BOTTOM (solid, pour order 260): 73 vertices, not listed, extent 10889.04,6498.85 12800.04,7882.85
+3.3V on BOTTOM (solid, pour order 186): 574 vertices, not listed, extent 7640.04,5526.85 13051.04,9308.85
N16954113 on BOTTOM (solid, pour order 160): 32 vertices, not listed, extent 6892.4,9101.43 6920.96,9164.23
N16954117 on BOTTOM (solid, pour order 158): 35 vertices, not listed, extent 7100.13,9118.72 7151.44,9170.03
N16954115 on BOTTOM (solid, pour order 156): 34 vertices, not listed, extent 6984.38,9101.43 7028.98,9164.23
N16954119 on BOTTOM (solid, pour order 154): 35 vertices, not listed, extent 7305.93,9142.56 7368.71,9185.4
+1.2V on BOTTOM (solid, pour order 132): 35 vertices, not listed, extent 7307.04,6088.85 10356.54,6489.85
N17127285 on BOTTOM (solid, pour order 50): 37 vertices, not listed, extent 6730.92,6145.47 6801.11,6199.59
N17127267 on BOTTOM (solid, pour order 48): 34 vertices, not listed, extent 6190.37,6085.07 6254.56,6130.37
N17114022 on BOTTOM (solid, pour order 46): 35 vertices, not listed, extent 6184.69,6639.64 6236.85,6691.8
N17114016 on BOTTOM (solid, pour order 44): 37 vertices, not listed, extent 6730.92,7005.47 6801.11,7059.59
N17127291 on BOTTOM (solid, pour order 42): 35 vertices, not listed, extent 6185.91,5780.86 6233.9,5828.85
+3.3V_PCIE on BOTTOM (solid, pour order 40): 8091.04,5059.85 8089.04,5061.85 8089.04,5258.85 8088.04,5259.85 8088.04,5300.85 8091.04,5303.85 8138.04,5303.85 8155.04,5286.85 8155.04,5061.85 8153.04,5059.85 8128.04,5059.85 8128.04,5227.85 8116.04,5227.85 8116.04,5059.85 8091.04,5059.85
N17113998 on BOTTOM (solid, pour order 38): 35 vertices, not listed, extent 6184.69,6921.99 6236.85,6974.15
+12V_PCIE on BOTTOM (solid, pour order 10): 7813.54,5060.35 7812.04,5061.85 7812.04,5268.85 7803.04,5277.85 7803.04,5326.85 7878.04,5326.85 7880.04,5324.85 7880.04,5063.85 7878.04,5061.85 7852.04,5061.85 7852.04,5227.85 7840.04,5227.85 7840.04,5060.35 7813.54,5060.35
+5.0V on IN2 (solid, pour order 276): 526 vertices, not listed, extent 6783.04,7394.85 12148.04,9313.85
+3.3V on IN2 (solid, pour order 182): 900 vertices, not listed, extent 6081.04,5619.85 7751.04,9327.85
N16880223 on IN2 (solid, pour order 164): 19 vertices, not listed, extent 12483.04,6474.85 13359.04,7598.85
+1.8V on IN2 (solid, pour order 20): 263 vertices, not listed, extent 6814.04,6984.85 11469.04,8065.85
+12V_PCIE on IN2 (solid, pour order 16): 267 vertices, not listed, extent 7802.04,5261.85 12574.04,7321.85
+1.2V on IN1 (solid, pour order 134): 10203.04,6398.85 10203.04,6492.85 10219.04,6508.85 11117.04,6508.85 11117.04,6337.85 11086.04,6306.85 10295.04,6306.85 10203.04,6398.85
GND on SGND1 (solid, pour order 178): 1122 vertices, not listed, extent 6010.08,5024.89 13375.51,9347.63
GND on SGND (solid, pour order 180): 1122 vertices, not listed, extent 6010.08,5024.89 13375.51,9347.63
no net on PLACE_BOUND_TOP (solid): 6594.04,9180.51 ccw(c6553.9,9180.51) 6553.9,9220.65 ccw(c6553.9,9180.51) 6513.76,9180.51 ccw(c6553.9,9180.51) 6553.9,9140.37 ccw(c6553.9,9180.51) 6594.04,9180.51
no net on PLACE_BOUND_TOP (solid): 7510.18,5336.85 ccw(c7470.04,5336.85) 7470.04,5376.99 ccw(c7470.04,5336.85) 7429.9,5336.85 ccw(c7470.04,5336.85) 7470.04,5296.71 ccw(c7470.04,5336.85) 7510.18,5336.85
no net on PLACE_BOUND_TOP (solid): 12957.18,9218.85 ccw(c12917.04,9218.85) 12917.04,9258.99 ccw(c12917.04,9218.85) 12876.9,9218.85 ccw(c12917.04,9218.85) 12917.04,9178.71 ccw(c12917.04,9218.85) 12957.18,9218.85
no net on PLACE_BOUND_TOP (solid): 12554.88,5920.15 ccw(c12514.74,5920.15) 12514.74,5960.29 ccw(c12514.74,5920.15) 12474.6,5920.15 ccw(c12514.74,5920.15) 12514.74,5880.01 ccw(c12514.74,5920.15) 12554.88,5920.15
no net on PLACE_BOUND_TOP (solid): 8180.08,8310.18 8180.08,8113.32 8376.94,8113.32 8376.94,8310.18 8180.08,8310.18
no net on PLACE_BOUND_TOP (solid): 8181.08,6740.18 8181.08,6543.32 8377.94,6543.32 8377.94,6740.18 8181.08,6740.18
no net on PLACE_BOUND_TOP (solid): 10146.08,6740.18 10146.08,6543.32 10342.94,6543.32 10342.94,6740.18 10146.08,6740.18
no net on PLACE_BOUND_TOP (solid): 10146.08,8310.18 10146.08,8113.32 10342.94,8113.32 10342.94,8310.18 10146.08,8310.18
no net on PLACE_BOUND_BOTTOM (solid): 12583.88,5918.15 ccw(c12543.74,5918.15) 12543.74,5958.29 ccw(c12543.74,5918.15) 12503.6,5918.15 ccw(c12543.74,5918.15) 12543.74,5878.01 ccw(c12543.74,5918.15) 12583.88,5918.15
no net on PLACE_BOUND_BOTTOM (solid): 12966.18,9215.85 ccw(c12926.04,9215.85) 12926.04,9255.99 ccw(c12926.04,9215.85) 12885.9,9215.85 ccw(c12926.04,9215.85) 12926.04,9175.71 ccw(c12926.04,9215.85) 12966.18,9215.85
no net on PLACE_BOUND_BOTTOM (solid): 6601.04,9201.51 ccw(c6560.9,9201.51) 6560.9,9241.65 ccw(c6560.9,9201.51) 6520.76,9201.51 ccw(c6560.9,9201.51) 6560.9,9161.37 ccw(c6560.9,9201.51) 6601.04,9201.51
no net on PLACE_BOUND_BOTTOM (solid): 7490.18,5341.85 ccw(c7450.04,5341.85) 7450.04,5381.99 ccw(c7450.04,5341.85) 7409.9,5341.85 ccw(c7450.04,5341.85) 7450.04,5301.71 ccw(c7450.04,5341.85) 7490.18,5341.85

## Keep-outs
TOP:
  circle w1: c6553.9,9180.51 r45.14
  circle w1: c7470.04,5336.85 r45.14
  circle w1: c12917.04,9218.85 r45.14
  circle w1: c12514.74,5920.15 r45.14
BOTTOM:
  circle w1: c12543.74,5918.15 r45.14
  circle w1: c6560.9,9201.51 r45.14
  circle w1: c7450.04,5341.85 r45.14
Keep-Out Layer:
  circle w1: c13225.66,8693.15 r19.64
  circle w1: c13225.66,8378.19 r19.64
  circle w1: c13153.94,7961.59 r22.69
  circle w1: c13153.94,7788.37 r22.69
  lines w1: 5990.04,5181.85 6581.04,5181.85 6581.04,5506.85 7303.04,5506.85 7303.04,5181.85 7618.04,5181.85 7618.04,5434.85 cw(c7690.04,5434.85) 7690.04,5506.85 cw(c7690.04,5434.85) 7762.04,5434.85 7762.04,5024.85 7782.04,5004.85 8182.54,5004.85 8202.54,5024.85 8202.54,5298.85 cw(c8239.54,5298.85) 8239.54,5335.85 8240.54,5335.85 cw(c8240.54,5298.85) 8277.54,5298.85 8277.54,5024.85 8297.54,5004.85 9092.04,5004.85 9112.04,5024.85 9112.04,5505.85 12490.04,5505.85 13395.55,5505.85 13395.55,9367.67 12490.04,9367.67 7800.59,9367.67 6878.86,9367.67 5990.04,9367.67 5990.04,5181.85
Multi-Layer:
  circle w1: c13225.66,8693.15 r29.64
  circle w1: c13225.66,8378.19 r29.64

## Other copper
TOP:
  pour cut-out: 13158.22,7454.35 13156.83,7464.91 13152.75,7474.75 13146.27,7483.2 13137.82,7489.68 13127.98,7493.76 13117.42,7495.15 13106.86,7493.76 13097.02,7489.68 13088.57,7483.2 13082.09,7474.75 13078.01,7464.91 13076.62,7454.35 13078.01,7443.79 13082.09,7433.95 13088.57,7425.5 13097.02,7419.02 13106.86,7414.94 13117.42,7413.55 13127.98,7414.94 13137.82,7419.02 13146.27,7425.5 13152.75,7433.95 13156.83,7443.79 13158.22,7454.35
  pour cut-out: 13158.22,7237.81 13156.83,7248.37 13152.75,7258.21 13146.27,7266.66 13137.82,7273.14 13127.98,7277.22 13117.42,7278.61 13106.86,7277.22 13097.02,7273.14 13088.57,7266.66 13082.09,7258.21 13078.01,7248.37 13076.62,7237.81 13078.01,7227.25 13082.09,7217.41 13088.57,7208.96 13097.02,7202.48 13106.86,7198.4 13117.42,7197.01 13127.98,7198.4 13137.82,7202.48 13146.27,7208.96 13152.75,7217.41 13156.83,7227.25 13158.22,7237.81
SGND:
  drawing of 748 lines, arcs and shapes, not listed
IN1:
  pour cut-out: 10981.4,6420.62 10980.28,6426.29 10977.07,6431.09 10972.27,6434.3 10966.6,6435.42 10960.93,6434.3 10956.13,6431.09 10952.92,6426.29 10951.8,6420.62 10952.92,6414.95 10956.13,6410.15 10960.93,6406.94 10966.6,6405.82 10972.27,6406.94 10977.07,6410.15 10980.28,6414.95 10981.4,6420.62
IN2:
  drawing of 384 lines, arcs and shapes, not listed
SGND1:
  drawing of 748 lines, arcs and shapes, not listed